# Altium PCB Archimajor.PcbDoc (part 4 of 12)
Units mm, origin at the board's own origin, x right, y up, seen from the top; angles counter-clockwise.
Board outline 190 x 140 mm, 6 copper layers (Top Layer, Top GND, Power Plane, Mid1, Bot GND, Bottom Layer), stack 1.776 mm thick; 842 components, 658 nets, 2620 pads, 2775 vias.
Unrouted connection lines stored in the file: 128.
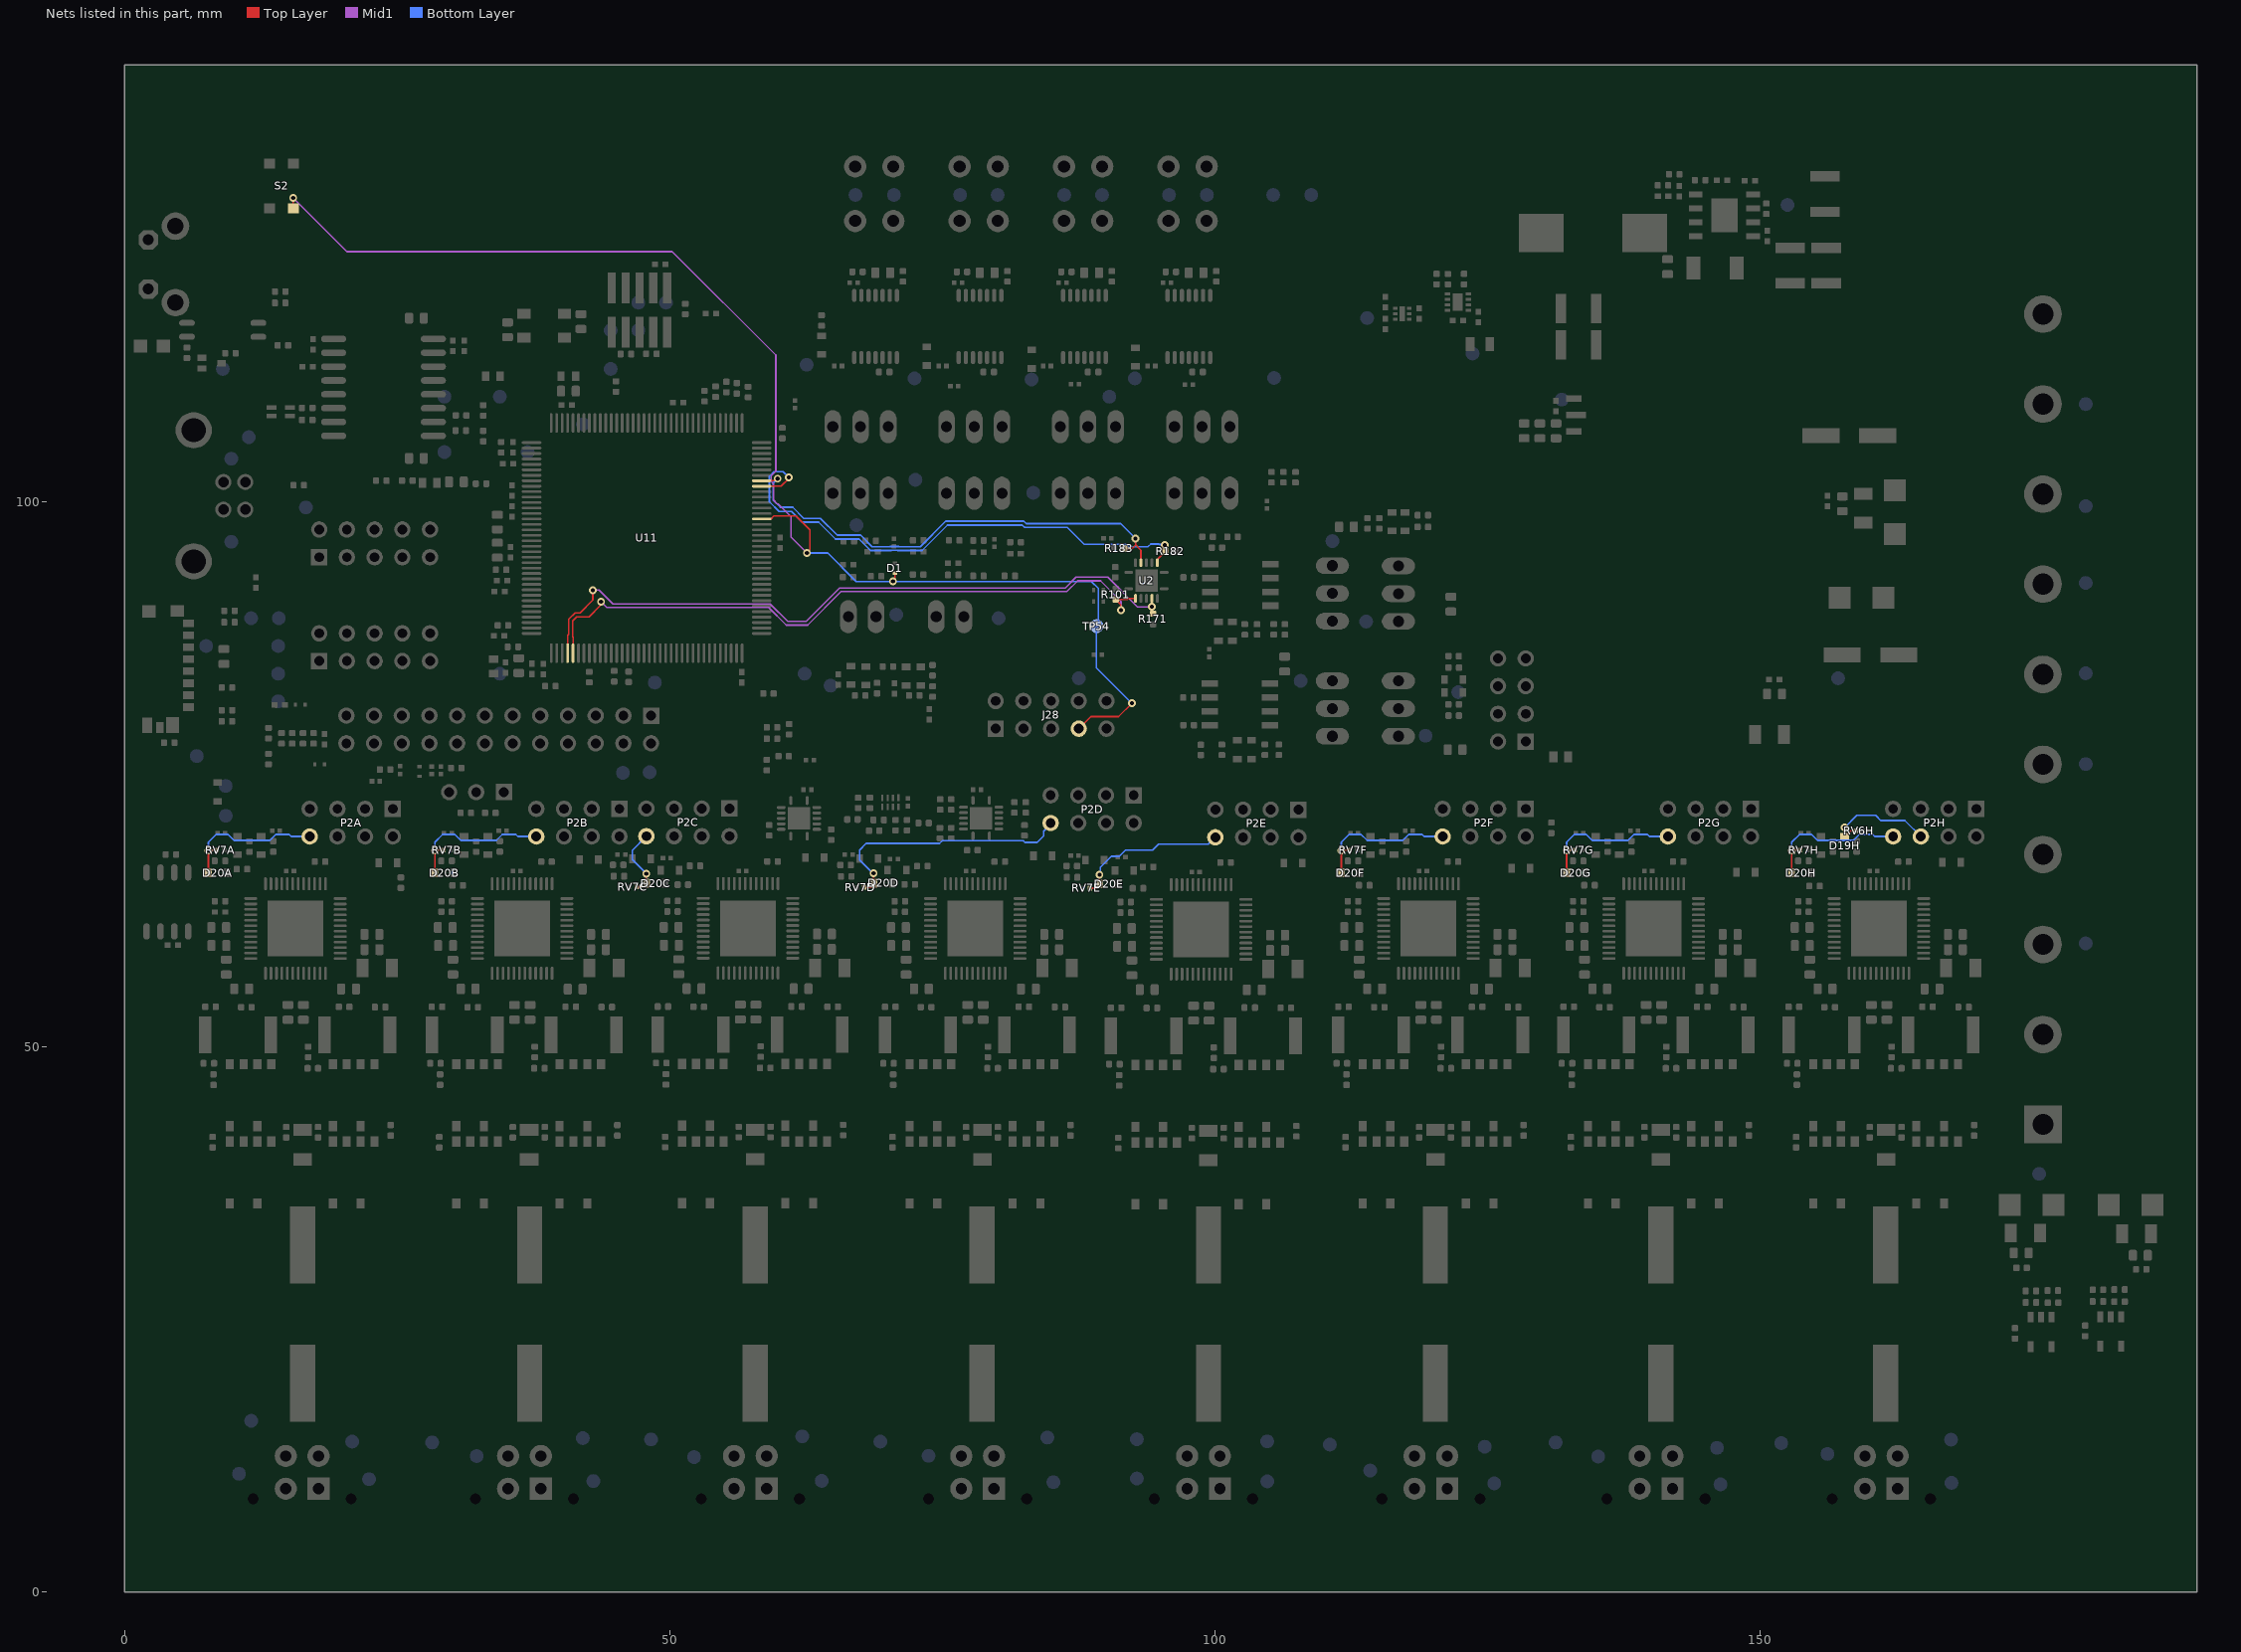
[diagram p8: the nets of this part, all layers, seen from the top]

## Via types
v1: diameter 0.711, hole 0.381, Top Layer to Bottom Layer, tented both sides, 2401 vias
v2: diameter 0.559, hole 0.254, Top Layer to Bottom Layer, 222 vias
v3: diameter 0.711, hole 0.381, Top Layer to Bottom Layer, 109 vias
v4: diameter 0.737, hole 0.381, Top Layer to Bottom Layer, tented both sides, 16 vias
v5: diameter 0.762, hole 0.381, Top Layer to Bottom Layer, 16 vias
v6: diameter 0.559, hole 0.254, Top Layer to Bottom Layer, tented both sides, 11 vias

## Nets (pads, with @x,y where several pads share a name; then routed paths per layer and width w, separated by ;. In a path a pad name is that pad's centre, name@x,y a point inside that pad or via, vN(x,y) a via of type N, cw(c..) or ccw(c..) an arc to the next point about the centre after c; other vN are vias at no path point) (continued)
ENCBH: D19H.K P2H.6 RV6H.1 | length 10.3
  Top Layer w0.152: D19H.K@157.713,69.3 v1(157.713,70.085)
  Top Layer w0.178: D19H.K@157.713,69.3 157.791,69.3 158.275,69.785 RV6H.1@158.725,69.785
  Bottom Layer w0.152: v1(157.713,70.085) 158.838,71.21 160.55,71.21 161.025,70.735 163.235,70.735 P2H.6@164.7,69.27
ENCNA: D20A.K P2A.8 RV7A.1 | length 13.7
  Top Layer w0.152: D20A.K@7.695,65.935 v1(7.695,67.98) 7.725,68.01 RV7A.1@8.45,68.01
  Bottom Layer w0.152: v1(7.695,67.98) 7.695,68.755 8.4,69.46 9.5,69.46 10.056,68.904 13.322,68.904 13.875,69.457 15.107,69.457 15.294,69.27 P2A.8@16.985,69.27
ENCNB: D20B.K P2B.8 RV7B.1 | length 13.7
  Top Layer w0.152: D20B.K@28.47,65.935 v1(28.47,67.98) 28.5,68.01 RV7B.1@29.225,68.01
  Bottom Layer w0.152: v1(28.47,67.98) 28.47,68.755 29.175,69.46 30.275,69.46 30.831,68.904 34.097,68.904 34.65,69.457 35.882,69.457 36.069,69.27 P2B.8@37.76,69.27
ENCNC: D20C.K P2C.8 RV7C.1 | length 6.9
  Top Layer w0.152: RV7C.1@46.983,64.634 47.758,64.634 47.883,64.759 47.833,64.809 47.842,64.819 v1(47.842,65.869) 47.842,66 v1@47.833,66.009
  Bottom Layer w0.152: P2C.8@47.853,69.294 46.563,68.004 46.563,67.149 v1(47.842,65.869) 47.842,65.894 v1@47.926,65.977
ENCND: D20D.K P2D.8 RV7D.1 | length 23.6
  Top Layer w0.152: RV7D.1@67.825,64.61 68.6,64.61 D20D.K@68.725,64.735 ; v1(68.676,65.897) 68.676,65.017 68.682,65.01 68.673,65.001 D20D.K@68.723,64.951
  Bottom Layer w0.152: v1@68.684,65.845 67.405,67.124 67.405,68.033 68.003,68.631 74.728,68.631 74.997,68.901 82.395,68.901 82.566,68.73 83.683,68.73 84.272,69.318 84.272,69.767 84.913,70.408 P2D.8@84.913,70.509
ENCNE: D20E.K P2E.8 RV7E.1 | length 14.5
  Top Layer w0.152: RV7E.1@88.533,64.534 89.208,64.534 89.392,64.719 v1(89.392,65.769) 89.392,65.9 v1@89.383,65.909
  Bottom Layer w0.152: v1(89.392,65.769) 89.483,65.859 89.483,66.449 90.491,67.458 91.205,67.458 91.773,68.026 94.271,68.026 94.804,68.559 99.383,68.559 P2E.8@100.018,69.194
ENCNF: D20F.K P2F.8 RV7F.1 | length 13.7
  Top Layer w0.152: D20F.K@111.57,65.935 v1(111.57,67.98) 111.6,68.01 RV7F.1@112.325,68.01
  Bottom Layer w0.152: v1(111.57,67.98) 111.57,68.755 112.275,69.46 113.375,69.46 113.931,68.904 117.197,68.904 117.75,69.457 118.982,69.457 119.169,69.27 P2F.8@120.86,69.27
ENCNG: D20G.K P2G.8 RV7G.1 | length 13.7
  Top Layer w0.152: D20G.K@132.22,65.935 v1(132.22,67.98) 132.25,68.01 RV7G.1@132.975,68.01
  Bottom Layer w0.152: v1(132.22,67.98) 132.22,68.755 132.925,69.46 134.025,69.46 134.581,68.904 137.847,68.904 138.4,69.457 139.632,69.457 139.819,69.27 P2G.8@141.51,69.27
ENCNH: D20H.K P2H.8 RV7H.1 | length 13.7
  Top Layer w0.152: D20H.K@152.87,65.935 v1(152.87,67.98) 152.9,68.01 RV7H.1@153.625,68.01
  Bottom Layer w0.152: v1(152.87,67.98) 152.87,68.755 153.575,69.46 154.675,69.46 155.231,68.904 158.498,68.904 159.05,69.457 160.282,69.457 160.469,69.27 P2H.8@162.16,69.27
ERASE: D1.C J28.7 S2.3 TP54.1 U11.130 | length 125.1
  Top Layer w0.152: v1(15.476,127.818) 15.476,126.899 S2.3@15.5,126.875 ; U11.130@58.429,98.388 59.279,98.388 59.545,98.654 61.571,98.654 62.845,97.379 62.845,95.54 v1(62.566,95.261) ; v1(70.468,92.659) 70.632,92.823 D1.C@70.632,93.431 ; J28.7@87.497,79.156 88.6,80.259 91.143,80.259 v1(92.368,81.484)
  Mid1 w0.152: v1@15.451,127.843 v1(15.476,127.818) 20.396,122.898 50.229,122.898 59.718,113.409 59.718,102.777 59.277,102.336 59.277,101.831 59.508,101.6 59.508,100.117 59.865,99.759 59.943,99.759 61.102,98.6 61.102,96.724 v1(62.566,95.261)
  Bottom Layer w0.152: v1(62.566,95.261) 64.473,95.261 67.074,92.659 v1(70.468,92.659) 88.668,92.659 89.298,92.03 89.298,88.791 TP54.1@89.067,88.56 ; TP54.1@89.269,88.56 TP54.1@89.125,88.56 89.125,84.727 v1(92.368,81.484)
FAN1: R183.1 U2.12 U11.137 | length 44.1
  Top Layer w0.152: U11.137@58.429,101.888 59.548,101.888 59.808,102.147 v1@60.046,102.147 ; R183.1@91.703,95.68 92.388,95.68 92.7,95.992 92.7,96.022 ; v1(92.7,96.597) 92.7,96.022 ; U2.12@93.199,94.369 93.199,95.524 92.7,96.022
  Bottom Layer w0.152: v1(59.887,102.084) 59.483,101.68 59.483,100.106 60.132,99.457 61.272,99.457 62.278,98.451 63.798,98.451 65.345,96.903 67.493,96.903 68.546,95.851 70.174,95.851 70.188,95.865 71.019,95.865 71.033,95.851 72.974,95.851 75.306,98.183 82.464,98.183 82.688,97.959 91.338,97.959 v1(92.7,96.597)
FAN2: R182.1 U2.9 U11.136 | length 49.5
  Top Layer w0.152: U11.136@58.429,101.388 60.197,101.388 60.916,102.107 v1(60.916,102.211) ; U2.9@94.699,94.369 94.699,94.663 94.763,94.727 94.763,94.736 94.852,94.826 94.856,94.826 95.438,95.408 R182.1@95.438,95.434 ; v1(95.368,95.986) v1@95.368,96.034
  Top Layer w0.508: v1(95.368,95.986) 95.368,95.931 95.412,95.886 95.412,95.433 R182.1@95.438,95.408
  Bottom Layer w0.152: v1(60.916,102.211) 60.902,102.211 60.394,102.719 59.559,102.719 59.127,102.287 59.127,99.959 60.007,99.079 61.146,99.079 62.13,98.095 63.65,98.095 65.198,96.548 67.346,96.548 68.398,95.496 70.322,95.496 70.336,95.509 70.872,95.509 70.886,95.496 73.122,95.496 75.453,97.827 82.317,97.827 82.541,97.604 86.45,97.604 87.994,96.06 91.827,96.06 92.063,95.824 93.833,95.824 94.104,96.096 94.856,96.096 94.906,96.045 95.308,96.045 v1(95.368,95.986)
Fan3: R171.1 U2.5 U11.76 | length 63.7
  Top Layer w0.152: U11.76@40.629,86.088 40.629,87.714 40.742,87.827 40.742,89.197 41.322,89.777 41.767,89.777 42.95,90.96 v1(42.95,91.86) ; U2.5@94.199,91.107 v1(94.199,90.334) 94.199,89.794 R171.1@94.303,89.689
  Mid1 w0.152: v1(42.95,91.86) 43.525,91.86 44.783,90.602 59.212,90.602 60.824,88.99 62.499,88.99 65.559,92.05 86.258,92.05 87.249,93.041 90.162,93.041 92.868,90.334 v1(94.199,90.334)
Fan4: R101.1 U2.2 U11.77 | length 61.3
  Top Layer w0.152: U11.77@41.129,86.088 41.129,87.552 41.097,87.584 41.097,89.049 41.469,89.421 42.586,89.421 43.675,90.51 43.675,90.762 v1(43.702,90.789) ; R101.1@90.875,91.001 R101.1@90.881,91.001 ; v1(91.368,90.034) 91.347,90.056 91.347,90.529 91.103,90.772 91.103,90.779 R101.1@90.881,91.001 ; U2.2@92.699,91.107 92.066,91.107 91.96,91.001 R101.1@90.881,91.001
  Mid1 w0.152: v1(43.702,90.789) 44.219,90.272 59.075,90.272 60.687,88.66 62.644,88.66 65.704,91.72 86.403,91.72 87.393,92.709 89.493,92.709 91.368,90.834 v1(91.368,90.034)